# KiCad board kim-1.kicad_pcb (continued)
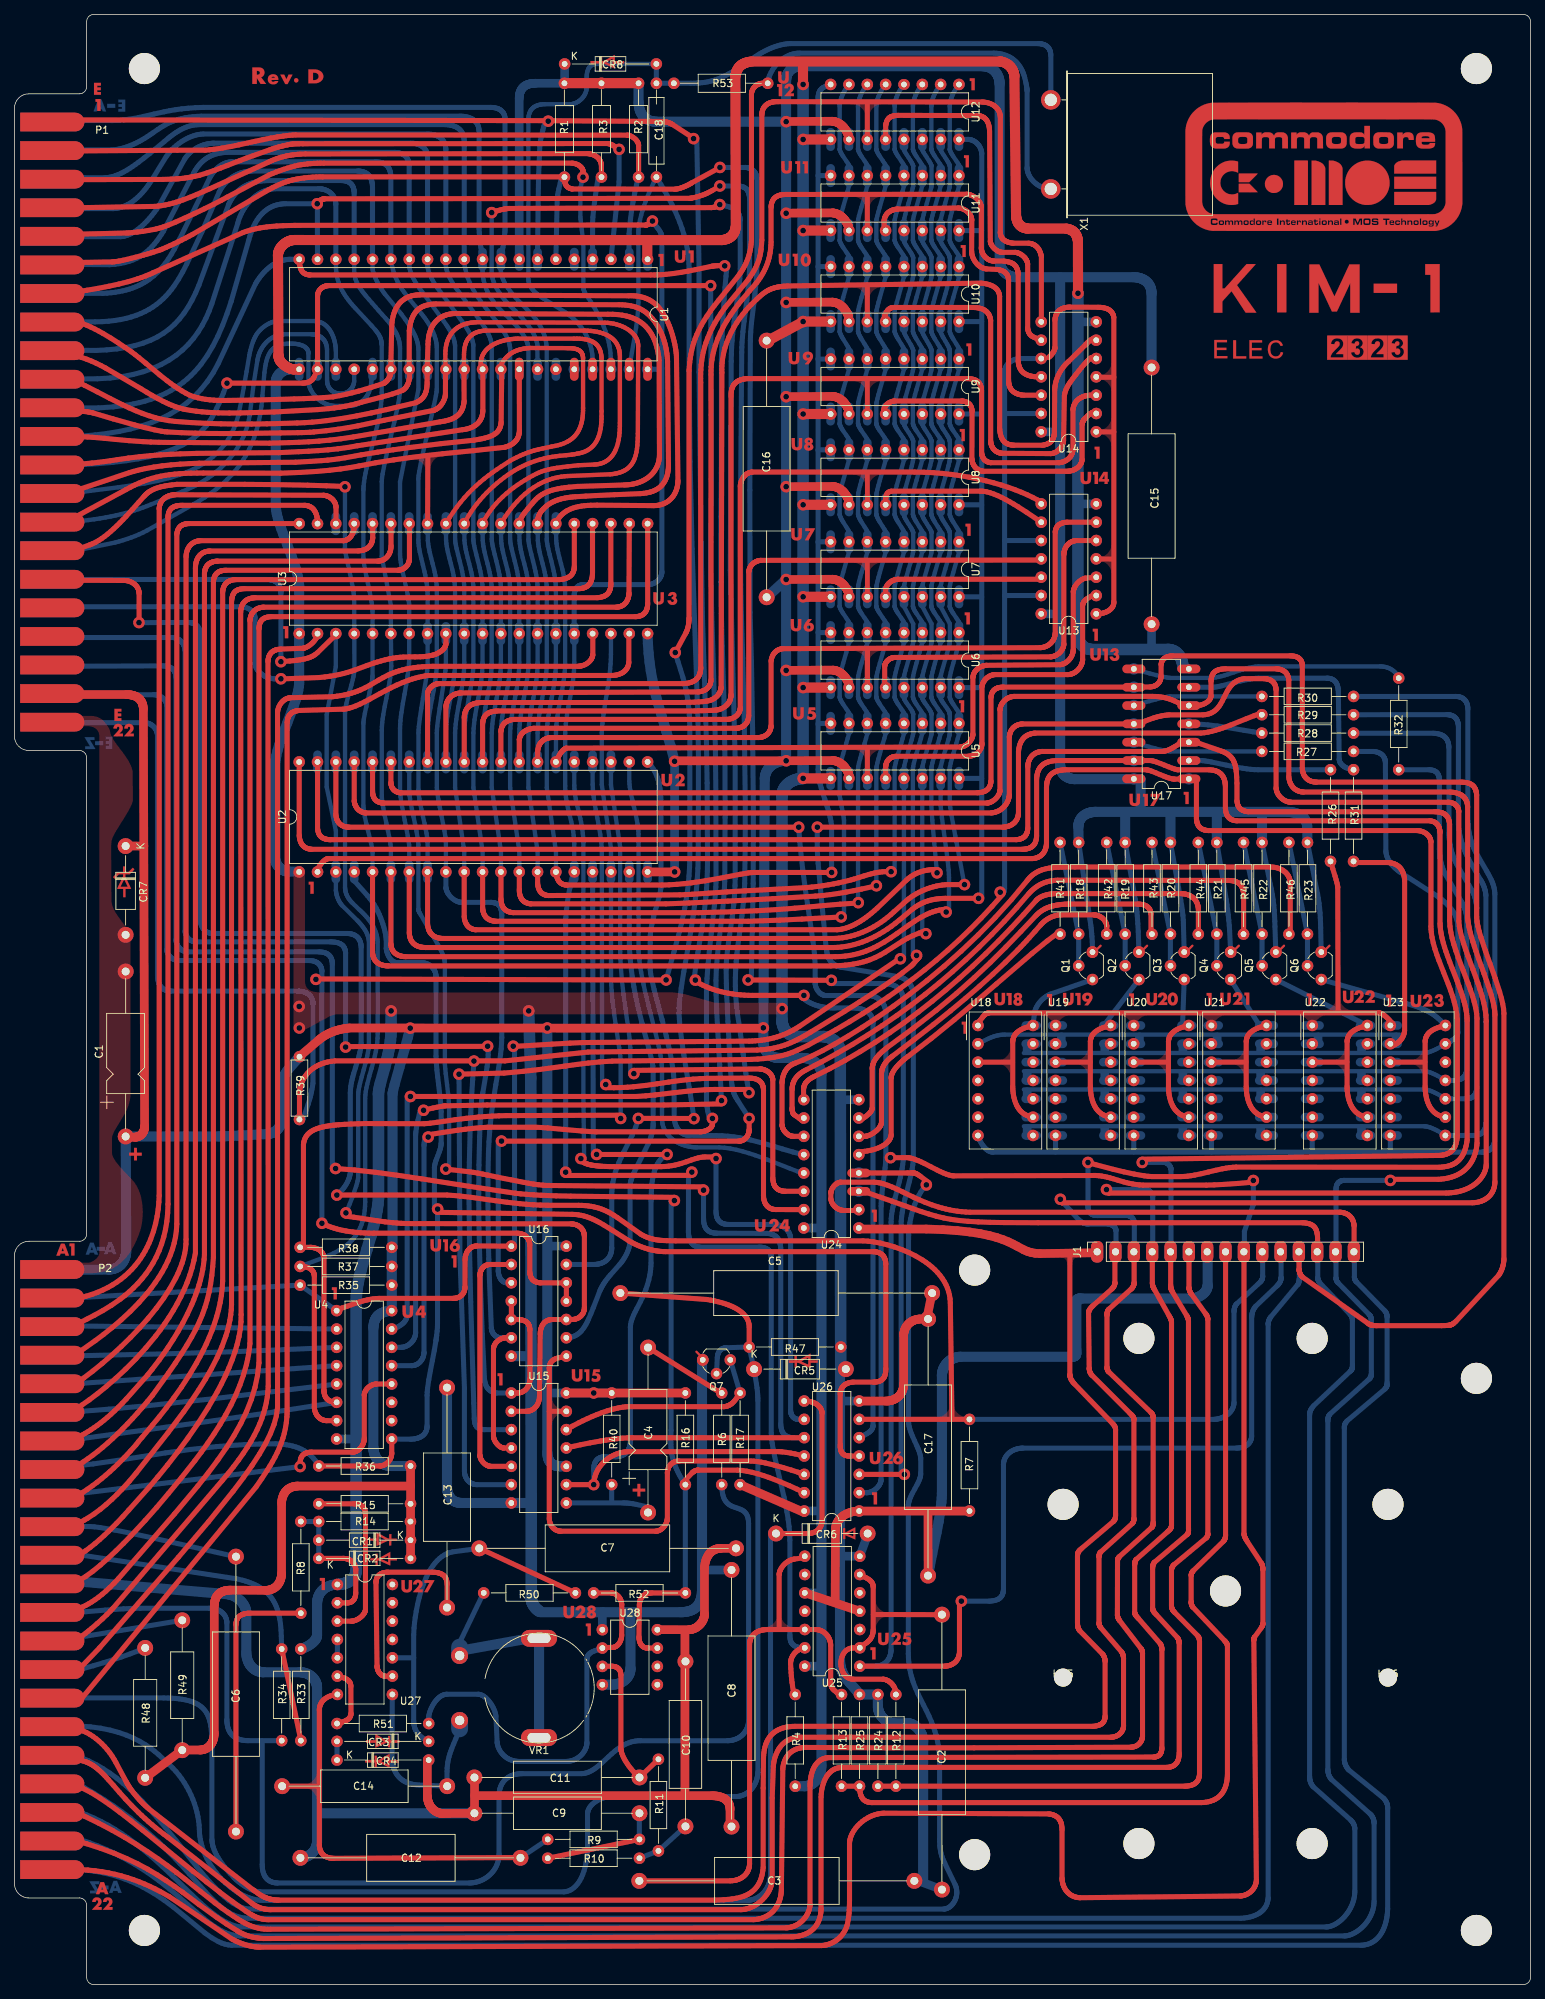
[diagram p0: board, top side]
## Routing (per net, layer and track width the routed paths; a pad name or vN(x,y) marks a point on that pad's centre or on a via; arc(x,y) is an arc through that point) (continued)
Net-(U6-DO): length 47.4
  Top w0.7: 149.84,200.09 147.05,200.09 146.95,200.09 146.86,200.07 146.77,200.05 146.69,200.03 146.6,200.01 146.52,199.97 146.44,199.94 146.36,199.9 146.29,199.86 146.22,199.81 146.15,199.77 146.08,199.71 146.01,199.66 145.95,199.6 145.89,199.54 145.83,199.47 145.78,199.41 145.73,199.34 145.68,199.26 145.63,199.19 145.59,199.11 145.55,199.03 145.52,198.95 145.48,198.87 145.46,198.78 145.43,198.69 145.41,198.61 145.39,198.52 145.38,198.43 145.37,198.33 145.36,198.24 145.36,198.15 145.36,185.8 145.35,185.71 145.34,185.62 145.33,185.54 145.31,185.45 145.28,185.36 145.25,185.28 145.22,185.19 145.18,185.11 145.14,185.03 145.09,184.96 145.04,184.88 144.99,184.81 144.93,184.74 144.87,184.67 144.81,184.6 144.75,184.54 144.68,184.48 144.61,184.42 144.46,184.31 144.31,184.22 144.23,184.18 144.15,184.14 144.07,184.11 143.99,184.08 143.9,184.05 143.82,184.03 143.74,184.01 143.65,184 143.57,183.99 143.49,183.98 121.92,183.89 121.85,183.89 121.79,183.88 121.72,183.87 121.66,183.86 121.6,183.84 121.54,183.83 121.47,183.8 121.41,183.78 121.35,183.75 121.29,183.72 121.24,183.69 121.18,183.66 121.13,183.62 121.07,183.58 121.02,183.54 120.97,183.5 120.92,183.46 120.88,183.41 120.84,183.36 120.79,183.31 120.76,183.26 120.72,183.21 120.69,183.16 120.66,183.11 120.63,183.05 120.61,182.99 120.59,182.94 120.57,182.88 120.56,182.82 120.55,182.76 120.54,182.71 120.54,182.65 120.54,179.64
Net-(U7-DO): length 23.3
  Top w0.7: 120.67,192.34 120.67,193.28 120.67,193.34 120.68,193.4 120.69,193.46 120.71,193.52 120.73,193.59 120.75,193.65 120.78,193.71 120.81,193.77 120.85,193.83 120.88,193.89 120.92,193.95 120.97,194.01 121.02,194.07 121.07,194.13 121.12,194.18 121.18,194.24 121.24,194.29 121.3,194.34 121.36,194.39 121.43,194.43 121.5,194.48 121.58,194.52 121.65,194.55 121.73,194.59 121.81,194.62 121.9,194.65 121.99,194.67 122.07,194.69 122.17,194.71 122.26,194.72 122.36,194.73 122.46,194.73 142.29,194.73
Net-(U8-DO): length 24.1
  Top w0.7: 120.64,205.13 120.65,205.13 120.67,205.15 120.67,205.17 120.68,205.2 120.68,205.28 120.68,205.39 120.67,205.67 120.67,205.83 120.69,205.99 120.7,206.08 120.71,206.16 120.73,206.24 120.75,206.32 120.78,206.4 120.81,206.47 120.84,206.54 120.89,206.61 120.94,206.68 120.99,206.73 121.06,206.79 121.13,206.83 121.21,206.87 121.3,206.9 121.4,206.92 121.51,206.94 133.77,206.94 133.98,206.94 134.2,206.92 134.42,206.89 134.66,206.85 135.14,206.72 135.65,206.54 136.18,206.33 136.73,206.07 137.29,205.78 137.86,205.47 138.43,205.13 139,204.78 140.14,204.05 142.25,202.63
Net-(U9-DO): length 45.6
  Top w0.7: 149.82,217.8 149.47,217.81 149.45,217.82 149.43,217.83 149.41,217.83 149.39,217.84 149.36,217.84 149.34,217.83 149.31,217.83 149.28,217.82 149.22,217.8 149.16,217.77 149.1,217.73 149.03,217.69 148.95,217.63 148.88,217.57 148.8,217.5 148.72,217.43 148.63,217.35 148.55,217.27 148.37,217.08 148.28,217 148.25,216.96 148.21,216.92 148.18,216.88 148.15,216.84 148.12,216.81 148.1,216.77 148.07,216.74 148.05,216.71 148.03,216.68 148.02,216.65 148,216.62 147.99,216.59 147.97,216.56 147.96,216.54 147.95,216.51 147.94,216.49 147.93,216.44 147.91,216.39 147.91,216.34 147.9,216.3 147.89,216.25 147.89,216.16 147.89,211.38 147.88,211.29 147.87,211.21 147.85,211.12 147.83,211.04 147.81,210.96 147.77,210.88 147.74,210.8 147.7,210.72 147.65,210.64 147.6,210.57 147.55,210.5 147.49,210.43 147.43,210.36 147.37,210.3 147.3,210.23 147.22,210.17 147.14,210.12 147.06,210.06 146.98,210.01 146.89,209.96 146.8,209.92 146.7,209.88 146.61,209.84 146.51,209.81 146.4,209.78 146.29,209.75 146.18,209.73 146.07,209.72 145.96,209.7 145.84,209.7 145.72,209.69 145.6,209.69 134.24,209.69 134.16,209.7 134.08,209.71 133.99,209.73 133.91,209.75 133.83,209.77 133.76,209.79 133.68,209.82 133.61,209.86 133.54,209.89 133.47,209.93 133.4,209.97 133.33,210.02 133.27,210.07 133.21,210.12 133.15,210.17 133.1,210.23 133.05,210.29 133,210.35 132.95,210.42 132.9,210.48 132.86,210.55 132.82,210.62 132.79,210.7 132.76,210.78 132.73,210.85 132.7,210.93 132.68,211.02 132.66,211.1 132.64,211.19 132.63,211.28 132.62,211.36 132.62,211.46 132.64,217.96 132.64,218.04 132.63,218.12 132.63,218.19 132.61,218.27 132.6,218.34 132.58,218.41 132.56,218.48 132.54,218.55 132.51,218.62 132.48,218.68 132.45,218.74 132.42,218.8 132.38,218.86 132.34,218.91 132.29,218.97 132.25,219.02 132.2,219.06 132.15,219.11 132.09,219.15 132.03,219.19 131.97,219.23 131.91,219.26 131.85,219.29 131.78,219.32 131.71,219.35 131.63,219.37 131.56,219.39 131.48,219.4 131.4,219.41 131.31,219.42 131.22,219.43 131.13,219.43 121.91,219.43 121.81,219.42 121.7,219.41 121.59,219.38 121.46,219.34 121.34,219.29 121.22,219.23 121.09,219.16 121.03,219.12 120.98,219.08 120.92,219.03 120.86,218.99 120.81,218.94 120.76,218.88 120.71,218.82 120.66,218.76 120.62,218.7 120.58,218.63 120.54,218.56 120.51,218.49 120.48,218.42 120.46,218.34 120.44,218.25 120.42,218.17 120.41,218.08 120.41,217.99 120.41,217.53
Net-(U10-DO): length 59.2
  Top w0.7: 149.83,225.35 149.8,225.35 149.78,225.35 149.76,225.35 149.73,225.36 149.71,225.36 149.69,225.36 149.66,225.37 149.62,225.37 149.58,225.38 149.54,225.39 149.51,225.4 149.48,225.42 149.45,225.43 149.42,225.44 149.4,225.45 149.37,225.46 149.36,225.46 149.32,225.47 149.28,225.47 149.23,225.46 149.17,225.43 149.11,225.4 149.04,225.35 148.89,225.24 148.73,225.09 148.55,224.92 148.37,224.73 148.18,224.52 147.81,224.09 147.47,223.67 146.99,223.06 146.77,222.77 146.54,222.47 146.31,222.15 146.19,221.99 146.08,221.82 145.97,221.64 145.87,221.46 145.77,221.27 145.68,221.07 145.6,220.87 145.53,220.65 145.47,220.43 145.43,220.2 145.32,214 145.31,213.92 145.31,213.84 145.29,213.76 145.27,213.68 145.25,213.6 145.23,213.53 145.2,213.45 145.16,213.37 145.08,213.21 144.99,213.06 144.89,212.91 144.83,212.84 144.77,212.77 144.71,212.71 144.64,212.64 144.57,212.58 144.5,212.52 144.43,212.47 144.36,212.42 144.28,212.37 144.2,212.33 144.12,212.29 144.04,212.25 143.95,212.22 143.87,212.19 143.78,212.17 143.69,212.16 143.6,212.15 143.51,212.14 136.8,212.19 136.73,212.2 136.66,212.2 136.58,212.21 136.51,212.23 136.44,212.25 136.37,212.27 136.3,212.29 136.23,212.32 136.16,212.35 136.09,212.39 136.03,212.43 135.96,212.47 135.9,212.52 135.84,212.56 135.78,212.61 135.73,212.67 135.67,212.73 135.62,212.78 135.57,212.85 135.52,212.91 135.48,212.98 135.44,213.05 135.4,213.12 135.37,213.2 135.34,213.28 135.31,213.36 135.28,213.44 135.26,213.52 135.25,213.61 135.23,213.7 135.22,213.79 135.22,213.88 135.22,230.57 135.2,230.7 135.18,230.82 135.16,230.93 135.13,231.04 135.09,231.14 135.05,231.24 135.01,231.34 134.96,231.43 134.91,231.51 134.85,231.59 134.79,231.67 134.73,231.74 134.66,231.81 134.59,231.87 134.51,231.93 134.43,231.98 134.35,232.03 134.26,232.08 134.09,232.16 133.9,232.23 133.7,232.29 133.5,232.33 133.29,232.36 133.07,232.38 132.85,232.39 121.77,232.39 121.69,232.39 121.62,232.38 121.55,232.37 121.48,232.35 121.41,232.32 121.34,232.29 121.27,232.26 121.21,232.22 121.15,232.18 121.09,232.14 121.04,232.09 120.98,232.03 120.93,231.98 120.88,231.92 120.79,231.79 120.71,231.64 120.64,231.49 120.57,231.33 120.52,231.16 120.48,230.99 120.46,230.8 120.44,230.62 120.43,230.43
Net-(U11-DO): length 46.5
  Top w0.7: 120.47,243.06 120.47,244.37 120.47,244.44 120.48,244.51 120.49,244.59 120.5,244.66 120.52,244.73 120.54,244.8 120.56,244.88 120.59,244.95 120.62,245.02 120.66,245.09 120.7,245.15 120.74,245.22 120.79,245.29 120.84,245.35 120.89,245.41 120.95,245.47 121.01,245.53 121.08,245.58 121.15,245.64 121.22,245.69 121.3,245.74 121.38,245.78 121.47,245.82 121.56,245.86 121.65,245.9 121.74,245.93 121.85,245.95 121.95,245.98 122.06,246 122.17,246.01 122.29,246.03 122.41,246.03 130.69,246.18 130.83,246.17 130.98,246.15 131.14,246.12 131.29,246.07 131.45,246.01 131.6,245.93 131.76,245.85 131.9,245.75 131.97,245.69 132.04,245.63 132.11,245.57 132.17,245.51 132.23,245.44 132.28,245.37 132.34,245.29 132.39,245.22 132.43,245.14 132.47,245.05 132.51,244.97 132.54,244.88 132.56,244.78 132.58,244.69 132.6,244.59 132.61,244.49 132.58,240.2 132.58,240.11 132.59,240.02 132.61,239.83 132.65,239.64 132.71,239.44 132.79,239.25 132.88,239.05 132.99,238.86 133.12,238.67 133.26,238.5 133.34,238.41 133.42,238.33 133.5,238.26 133.59,238.18 133.68,238.11 133.78,238.05 133.87,237.99 133.98,237.93 134.08,237.89 134.19,237.84 134.3,237.8 134.41,237.77 134.53,237.75 134.65,237.73 136.19,237.66 136.35,237.63 136.5,237.59 136.65,237.55 136.79,237.5 136.92,237.44 137.05,237.37 137.1,237.34 137.16,237.3 137.22,237.26 137.27,237.21 137.32,237.17 137.36,237.12 137.41,237.06 137.45,237.01 137.49,236.95 137.52,236.89 137.56,236.82 137.59,236.75 137.61,236.68 137.64,236.6 137.66,236.52 137.67,236.44 137.68,236.35 137.69,236.26 137.7,236.17 137.7,236.07 137.7,222.3 137.7,222.19 137.71,222.07 137.72,221.96 137.74,221.85 137.76,221.75 137.78,221.65 137.81,221.55 137.84,221.46 137.88,221.37 137.92,221.28 137.96,221.2 138.01,221.12 138.06,221.04 138.12,220.97 138.18,220.9 138.24,220.83 138.31,220.77 138.39,220.71 138.46,220.65 138.54,220.6 138.63,220.55 138.72,220.51 138.81,220.46 138.91,220.42 139.01,220.39 139.11,220.36 139.22,220.33 139.33,220.3 139.45,220.28 139.57,220.26 139.82,220.24 142.22,220.24
Net-(U12-DO): length 52.1
  Top w0.7: 120.68,255.68 120.68,257.6 120.7,257.71 120.72,257.82 120.74,257.92 120.77,258.01 120.8,258.1 120.83,258.19 120.86,258.26 120.9,258.34 120.94,258.4 120.98,258.47 121.02,258.52 121.07,258.58 121.11,258.63 121.17,258.67 121.22,258.71 121.27,258.75 121.33,258.79 121.39,258.82 121.45,258.85 121.51,258.87 121.65,258.91 121.79,258.95 121.93,258.97 122.09,258.99 122.25,259 122.42,259.01 133.37,258.98 133.48,258.98 133.58,258.97 133.68,258.95 133.78,258.93 133.87,258.9 133.96,258.87 134.05,258.84 134.13,258.8 134.21,258.76 134.28,258.71 134.36,258.66 134.42,258.6 134.49,258.54 134.55,258.47 134.61,258.41 134.66,258.33 134.71,258.26 134.76,258.18 134.8,258.09 134.84,258 134.91,257.82 134.97,257.62 135.01,257.41 135.04,257.18 135.06,256.94 135.07,256.7 135.17,241.58 135.17,241.52 135.18,241.45 135.2,241.39 135.22,241.32 135.24,241.26 135.27,241.19 135.3,241.13 135.34,241.06 135.42,240.93 135.51,240.8 135.62,240.67 135.74,240.55 135.87,240.44 136,240.34 136.14,240.25 136.21,240.21 136.28,240.17 136.36,240.14 136.43,240.11 136.5,240.09 136.58,240.07 136.65,240.05 136.72,240.04 136.8,240.03 136.87,240.03 138.59,240.03 138.66,240.02 138.74,240.01 138.81,240 138.88,239.98 138.96,239.96 139.03,239.93 139.11,239.9 139.18,239.87 139.33,239.79 139.47,239.71 139.61,239.61 139.74,239.5 139.87,239.38 139.92,239.31 139.98,239.25 140.03,239.18 140.08,239.12 140.12,239.05 140.17,238.98 140.2,238.9 140.24,238.83 140.27,238.76 140.29,238.68 140.31,238.61 140.33,238.53 140.34,238.46 140.34,238.38 140.34,229.57 140.35,229.45 140.37,229.34 140.39,229.24 140.42,229.14 140.45,229.05 140.48,228.97 140.52,228.89 140.56,228.81 140.61,228.74 140.66,228.68 140.71,228.62 140.76,228.56 140.82,228.51 140.88,228.46 140.95,228.41 141.01,228.37 141.15,228.29 141.3,228.22 141.45,228.16 141.6,228.1 141.92,227.98 142.08,227.92 142.23,227.85
Net-(U13-Pad1): length 304.5
  Top w0.7: 143.22,225.46 143.3,225.52 143.37,225.58 143.45,225.65 143.52,225.72 143.6,225.8 143.67,225.88 143.73,225.96 143.8,226.05 143.85,226.13 143.91,226.22 143.96,226.31 144,226.39 144.04,226.48 144.07,226.56 144.09,226.65 144.11,226.73 144.12,226.8 144.12,226.88 144.12,230.58 144.14,230.79 144.15,230.89 144.17,230.99 144.19,231.09 144.21,231.18 144.24,231.27 144.27,231.36 144.31,231.44 144.35,231.52 144.39,231.6 144.44,231.67 144.49,231.74 144.54,231.81 144.6,231.88 144.66,231.94 144.73,232 144.8,232.05 144.87,232.1 144.95,232.15 145.03,232.19 145.12,232.23 145.21,232.27 145.31,232.31 145.41,232.34 145.51,232.36 145.62,232.39 145.73,232.41 145.85,232.42 145.97,232.43 146.1,232.44 146.23,232.44 150.11,232.42 150.38,232.41 150.54,232.4 150.7,232.38 150.87,232.35 151.04,232.31 151.2,232.26 151.37,232.2 151.45,232.16 151.53,232.12 151.61,232.07 151.68,232.02 151.76,231.97 151.83,231.91 151.89,231.84 151.95,231.77 152.01,231.7 152.07,231.62 152.12,231.53 152.16,231.44 152.2,231.34 152.23,231.24 152.26,231.13 152.28,231.01 152.28,191.66 152.28,191.55 152.27,191.44 152.26,191.34 152.24,191.24 152.21,191.15 152.18,191.05 152.13,190.97 152.08,190.88 152.03,190.8 151.97,190.73 151.91,190.65 151.83,190.58 151.76,190.52 151.68,190.46 151.6,190.4 151.51,190.34 151.42,190.29 151.33,190.24 151.23,190.2 151.13,190.16 151.03,190.12 150.93,190.09 150.82,190.06 150.71,190.03 150.5,189.99 150.29,189.96 150.07,189.94 149.86,189.93 ; 136.89,151.08 135.4,149.4 133.9,147.79 132.38,146.24 130.84,144.75 129.27,143.32 127.68,141.94 126.06,140.61 124.41,139.32 122.73,138.07 121.02,136.86 119.27,135.68 117.48,134.54 115.66,133.41 113.79,132.31 109.91,130.16 108.47,129.48 107.71,129.16 107.29,129.01 106.83,128.86 106.34,128.73 105.79,128.6 105.18,128.49 104.51,128.39 103.77,128.31 102.95,128.25 102.03,128.2 101.03,128.17 82.79,127.96 81.06,127.85 79.48,127.7 77.93,127.5 76.35,127.28 72.69,126.8 70.45,126.55 67.82,126.3 61.19,126.15 ; 149.89,215.16 152.28,215.15 ; 149.89,222.73 152.28,222.71 ; 149.89,197.55 152.18,197.53
  Bottom w0.7: 142.21,217.7 137.16,217.7 ; 142.2,225.32 139.41,225.32 139.19,225.31 138.98,225.29 138.78,225.25 138.58,225.19 138.39,225.12 138.2,225.03 138.03,224.93 137.94,224.87 137.86,224.82 137.79,224.75 137.71,224.69 137.64,224.62 137.58,224.55 137.52,224.47 137.46,224.39 137.4,224.31 137.35,224.23 137.31,224.14 137.27,224.05 137.24,223.96 137.21,223.86 137.18,223.76 137.16,223.66 137.15,223.56 137.14,223.45 137.14,151.88 137.14,151.76 137.13,151.73 137.13,151.7 137.12,151.67 137.12,151.64 137.11,151.61 137.1,151.58 137.09,151.55 137.08,151.52 137.06,151.49 137.04,151.46 137.02,151.43 137,151.4 ; 68.81,69.27 64.1,69.27 63.99,69.28 63.89,69.29 63.79,69.3 63.7,69.32 63.61,69.34 63.52,69.37 63.43,69.4 63.35,69.44 63.27,69.48 63.19,69.52 63.12,69.57 63.05,69.62 62.98,69.68 62.92,69.73 62.85,69.79 62.8,69.86 62.74,69.92 62.69,69.99 62.64,70.06 62.6,70.14 62.56,70.21 62.52,70.29 62.48,70.37 62.45,70.45 62.43,70.53 62.4,70.61 62.36,70.78 62.34,70.96 62.33,71.13 62.33,82.63 61.71,101.01 61.58,126.15 ; 142.21,200.1 137.16,200.1 ; 142.22,192.48 137.16,192.48
  vias: v1(61.58,126.15) v1(136.54,151.37)
Net-(U15-Pad5): length 35.4
  Top w0.7: 68.83,99.78 65.87,99.78 65.79,99.78 65.71,99.77 65.64,99.76 65.57,99.75 65.5,99.73 65.43,99.71 65.36,99.68 65.3,99.65 65.23,99.62 65.17,99.59 65.11,99.55 65.06,99.51 65,99.46 64.95,99.42 64.9,99.37 64.86,99.32 64.81,99.26 64.77,99.21 64.73,99.15 64.69,99.09 64.66,99.02 64.63,98.96 64.6,98.89 64.57,98.82 64.55,98.75 64.53,98.68 64.51,98.6 64.5,98.53 64.49,98.45 64.48,98.37 64.47,98.29 64.47,98.21 64.47,73.39 64.47,73.32 64.48,73.25 64.49,73.18 64.51,73.11 64.52,73.04 64.55,72.97 64.57,72.9 64.6,72.83 64.64,72.76 64.67,72.7 64.75,72.57 64.85,72.44 64.95,72.33 65.06,72.22 65.18,72.12 65.24,72.07 65.3,72.03 65.37,71.99 65.43,71.96 65.5,71.93 65.56,71.9 65.63,71.87 65.7,71.85 65.77,71.83 65.83,71.82 65.9,71.81 65.97,71.81 68.83,71.81
Net-(U15-Pad13): length 71.3
  Top w0.127: 74.09,79.43 74.08,79.44
  Top w0.7: 109.41,70.7 108.54,70.99 107.6,71.29 106.47,71.64 105.24,71.98 104.02,72.27 103.44,72.39 102.91,72.48 102.43,72.53 102.01,72.55 92.1,72.55 92.01,72.54 91.91,72.53 91.83,72.52 91.74,72.51 91.65,72.49 91.57,72.47 91.49,72.45 91.42,72.42 91.34,72.39 91.27,72.36 91.2,72.32 91.14,72.28 91.07,72.23 91.01,72.19 90.96,72.14 90.9,72.09 90.85,72.03 90.8,71.97 90.75,71.91 90.71,71.85 90.67,71.78 90.63,71.71 90.6,71.64 90.57,71.57 90.54,71.49 90.52,71.41 90.49,71.33 90.48,71.24 90.46,71.15 90.45,71.07 90.44,70.97 90.44,70.88 90.44,64.59 90.43,64.52 90.43,64.45 90.42,64.38 90.4,64.31 90.38,64.24 90.36,64.16 90.31,64.01 90.24,63.87 90.16,63.72 90.06,63.58 90.01,63.51 89.96,63.44 89.9,63.38 89.84,63.31 89.78,63.25 89.72,63.19 89.65,63.14 89.58,63.09 89.51,63.04 89.44,63 89.37,62.96 89.29,62.92 89.21,62.89 89.13,62.87 89.05,62.85 88.97,62.83 88.89,62.82 88.8,62.82 75.74,62.82 75.64,62.82 75.54,62.83 75.44,62.85 75.35,62.86 75.26,62.89 75.17,62.92 75.08,62.95 75,62.99 74.93,63.03 74.85,63.08 74.78,63.12 74.72,63.18 74.65,63.23 74.59,63.29 74.54,63.35 74.48,63.42 74.44,63.48 74.39,63.55 74.35,63.62 74.31,63.69 74.24,63.84 74.18,63.99 74.14,64.15 74.1,64.3 74.09,64.46 74.08,64.61 74.08,85.39 74.09,85.53 74.1,85.65 74.12,85.77 74.15,85.88 74.18,85.98 74.22,86.07 74.26,86.16 74.31,86.24 74.37,86.31 74.43,86.38 74.5,86.45 74.57,86.5 74.64,86.56 74.72,86.61 74.81,86.65 74.89,86.69 75.07,86.76 75.26,86.82 75.45,86.87 75.65,86.91 76.06,86.99 76.25,87.03 76.45,87.08 ; U15.13 74.09,79.43
Net-(U24-~{Q4}): length 44.5
  Top w0.7: 116.97,115.4 117.36,115.42 117.75,115.46 118.13,115.51 118.52,115.59 118.9,115.68 119.26,115.79 119.61,115.92 119.95,116.06 120.25,116.22 120.54,116.4 120.79,116.59 120.9,116.69 121,116.8 121.09,116.91 121.18,117.02 121.25,117.14 121.31,117.26 121.36,117.39 121.4,117.51 121.42,117.65 121.43,117.78 121.43,125.6 121.43,125.7 121.45,125.8 121.47,125.9 121.49,126 121.52,126.1 121.56,126.2 121.61,126.31 121.66,126.41 121.78,126.61 121.91,126.82 122.07,127.02 122.23,127.22 122.41,127.42 122.6,127.61 122.79,127.8 122.99,127.97 123.18,128.15 123.38,128.31 123.75,128.6 127.04,131.14 130.2,133.71 133.19,136.23 136,138.64 140.95,142.89 143.04,144.61 144.84,145.96
Net-(U24-~{Q5}): length 52.7
  Top w0.7: 116.98,117.54 117.77,117.54 117.85,117.54 117.93,117.55 118.02,117.57 118.1,117.59 118.29,117.65 118.48,117.73 118.67,117.82 118.86,117.93 119.05,118.05 119.24,118.19 119.41,118.34 119.58,118.49 119.72,118.65 119.79,118.74 119.85,118.82 119.9,118.91 119.95,118.99 120,119.08 120.03,119.16 120.06,119.25 120.08,119.34 120.09,119.42 120.1,119.51 120.1,126.21 120.1,126.31 120.11,126.41 120.12,126.51 120.13,126.61 120.15,126.7 120.18,126.8 120.2,126.89 120.23,126.98 120.31,127.16 120.39,127.33 120.48,127.49 120.59,127.65 120.7,127.79 120.82,127.94 120.94,128.07 121.07,128.2 121.21,128.32 121.34,128.44 121.48,128.55 121.61,128.65 124.62,130.94 127.27,133.02 129.64,134.92 131.77,136.69 133.72,138.38 135.54,140.02 137.28,141.68 138.99,143.38 139.39,143.8 139.79,144.21 140.18,144.64 140.57,145.06 141.35,145.93 142.12,146.81 142.25,146.96 142.4,147.11 142.55,147.25 142.71,147.38 142.88,147.5 143.06,147.62 143.24,147.73 143.42,147.83 143.61,147.92 143.81,148 144.01,148.07 144.21,148.13 144.41,148.17 144.62,148.2 144.82,148.22 145.03,148.23 149.46,148.23 149.55,148.23 149.65,148.22 149.74,148.21 149.83,148.19 149.92,148.17 150,148.15 150.09,148.12 150.17,148.09 150.25,148.05 150.33,148.02 150.41,147.97 150.48,147.93 150.55,147.88 150.62,147.83 150.69,147.77 150.75,147.72 150.87,147.6 150.98,147.47 151.03,147.4 151.07,147.34 151.11,147.27 151.15,147.2 151.18,147.13 151.21,147.05 151.24,146.98 151.26,146.91 151.28,146.84 151.29,146.76 151.3,146.69 151.3,146.62 151.3,145.57
Net-(U24-~{Q6}): length 59
  Top w0.7: 157.43,145.52 157.43,148.3 157.42,148.39 157.41,148.47 157.4,148.56 157.38,148.64 157.36,148.71 157.34,148.79 157.31,148.86 157.28,148.93 157.24,148.99 157.21,149.06 157.16,149.12 157.12,149.17 157.07,149.23 157.02,149.28 156.97,149.33 156.91,149.37 156.85,149.41 156.79,149.45 156.72,149.49 156.65,149.52 156.58,149.55 156.51,149.58 156.35,149.63 156.18,149.67 156,149.7 155.8,149.72 155.6,149.73 146.22,149.73 145.96,149.72 145.72,149.71 145.48,149.7 145.25,149.69 145.03,149.67 144.82,149.65 144.62,149.62 144.43,149.59 144.24,149.56 144.06,149.52 143.89,149.48 143.72,149.44 143.56,149.39 143.41,149.34 143.26,149.29 143.12,149.24 142.99,149.18 142.86,149.12 142.74,149.06 142.62,149 142.39,148.87 142.19,148.73 142,148.59 141.82,148.44 141.65,148.29 141.49,148.13 139.4,145.92 137.33,143.77 135.2,141.66 132.94,139.52 130.46,137.32 127.68,135.01 124.53,132.54 120.92,129.87 120.66,129.67 120.43,129.47 120.21,129.27 120,129.09 119.81,128.9 119.64,128.72 119.49,128.54 119.35,128.36 119.23,128.18 119.12,128 119.03,127.82 118.99,127.73 118.95,127.64 118.92,127.55 118.89,127.46 118.87,127.37 118.85,127.28 118.83,127.18 118.82,127.09 118.81,126.99 118.81,126.9 118.81,121.46 118.8,121.39 118.79,121.31 118.76,121.24 118.73,121.16 118.69,121.08 118.64,121.01 118.59,120.93 118.52,120.85 118.46,120.78 118.39,120.7 118.23,120.55 118.07,120.41 117.89,120.28 117.72,120.15 117.56,120.04 117.26,119.85
Net-(U24-~{Q7}): length 70.7
  Top w0.7: 109.31,122.62 109.3,124.04 109.31,124.13 109.31,124.21 109.32,124.28 109.34,124.36 109.36,124.43 109.38,124.5 109.4,124.57 109.43,124.64 109.46,124.71 109.49,124.77 109.53,124.83 109.57,124.89 109.61,124.95 109.65,125.01 109.75,125.12 109.85,125.22 109.96,125.32 110.08,125.42 110.21,125.5 110.34,125.59 110.47,125.67 110.61,125.75 110.76,125.82 112.93,126.91 115.06,128.07 117.15,129.28 119.21,130.56 121.24,131.9 123.23,133.3 125.2,134.75 127.12,136.27 129.02,137.83 130.89,139.45 132.73,141.12 134.54,142.85 136.32,144.62 138.07,146.44 139.8,148.3 141.51,150.21 141.56,150.27 141.62,150.33 141.75,150.44 141.88,150.54 142.02,150.63 142.17,150.71 142.33,150.79 142.5,150.86 142.68,150.92 142.86,150.98 143.05,151.03 143.24,151.07 143.44,151.1 143.64,151.13 143.85,151.15 144.07,151.16 144.28,151.17 161.56,151.17 161.7,151.17 161.82,151.16 161.95,151.15 162.07,151.13 162.19,151.11 162.31,151.08 162.42,151.05 162.53,151.01 162.64,150.97 162.74,150.93 162.84,150.88 162.94,150.83 163.03,150.77 163.12,150.71 163.21,150.64 163.29,150.58 163.37,150.5 163.44,150.43 163.51,150.35 163.58,150.26 163.64,150.17 163.69,150.08 163.75,149.99 163.79,149.89 163.84,149.78 163.87,149.68 163.91,149.57 163.93,149.46 163.96,149.34 163.97,149.22 163.98,149.1 163.99,148.97 163.99,145.57
Net-(U24-~{Q8}): length 85.1
  Top w0.7: 109.19,119.66 108.73,120.01 108.34,120.29 108.16,120.43 108.01,120.53 107.99,120.55 107.97,120.57 107.95,120.59 107.93,120.61 107.91,120.63 107.9,120.65 107.88,120.68 107.87,120.7 107.85,120.73 107.84,120.75 107.82,120.8 107.79,120.86 107.78,120.92 107.76,120.98 107.75,121.05 107.73,121.12 107.73,121.19 107.72,121.27 107.71,121.35 107.71,121.43 107.71,121.51 107.71,124.01 107.71,124.13 107.72,124.25 107.73,124.36 107.75,124.48 107.77,124.59 107.79,124.69 107.82,124.8 107.85,124.9 107.89,125 107.93,125.1 107.97,125.2 108.02,125.29 108.13,125.48 108.25,125.65 108.38,125.81 108.53,125.97 108.69,126.12 108.87,126.26 109.05,126.4 109.25,126.53 109.46,126.65 109.68,126.76 111.85,127.89 113.99,129.06 116.1,130.29 118.17,131.57 120.21,132.9 122.23,134.28 124.2,135.72 126.15,137.22 128.06,138.76 129.94,140.37 131.79,142.03 133.6,143.74 135.38,145.51 137.12,147.34 138.83,149.23 140.5,151.17 140.7,151.38 140.89,151.57 141.1,151.75 141.31,151.93 141.52,152.09 141.75,152.24 141.98,152.37 142.22,152.5 142.46,152.61 142.72,152.71 142.99,152.8 143.27,152.87 143.56,152.93 143.86,152.98 144.17,153.01 144.49,153.03 168.15,153 168.38,152.99 168.61,152.97 168.82,152.93 168.92,152.91 169.02,152.88 169.11,152.85 169.21,152.82 169.29,152.78 169.38,152.74 169.46,152.69 169.54,152.64 169.61,152.59 169.68,152.53 169.75,152.46 169.81,152.4 169.87,152.32 169.92,152.25 169.97,152.17 170.02,152.08 170.06,151.99 170.1,151.89 170.14,151.79 170.17,151.69 170.19,151.58 170.21,151.46 170.23,151.34 170.24,151.21 170.25,151.08 170.25,150.95 170.25,145.56
Net-(U24-~{Q9}): length 99.6
  Top w0.7: 176.72,145.68 176.72,152.66 176.71,152.78 176.7,152.9 176.68,153.01 176.65,153.13 176.62,153.23 176.58,153.34 176.54,153.45 176.49,153.55 176.43,153.65 176.37,153.74 176.31,153.83 176.24,153.92 176.16,154.01 176.08,154.09 176,154.17 175.91,154.24 175.81,154.31 175.72,154.38 175.61,154.44 175.51,154.5 175.28,154.6 175.05,154.69 174.8,154.76 174.54,154.81 174.26,154.85 173.98,154.86 146.88,154.86 145.11,154.84 144.66,154.83 144.21,154.81 143.76,154.77 143.32,154.71 142.89,154.62 142.47,154.51 142.26,154.44 142.06,154.36 141.86,154.27 141.67,154.17 141.47,154.07 141.29,153.95 141.1,153.81 140.92,153.67 140.75,153.51 140.58,153.34 140.42,153.16 140.27,152.96 138.09,150.34 135.82,147.83 133.5,145.46 131.14,143.21 128.76,141.1 126.39,139.12 124.05,137.28 121.77,135.59 119.56,134.04 117.45,132.65 115.46,131.41 113.62,130.34 111.94,129.42 110.46,128.67 109.19,128.09 108.15,127.69 108.01,127.63 107.87,127.57 107.74,127.51 107.62,127.44 107.51,127.36 107.4,127.29 107.3,127.2 107.2,127.12 107.11,127.03 107.03,126.94 106.95,126.85 106.88,126.75 106.82,126.65 106.76,126.56 106.7,126.46 106.65,126.36 106.56,126.16 106.49,125.96 106.43,125.76 106.39,125.57 106.36,125.39 106.34,125.21 106.33,125.06 106.32,124.91 106.32,119.15 106.32,119.08 106.33,119.01 106.34,118.94 106.36,118.87 106.38,118.8 106.41,118.72 106.43,118.65 106.46,118.58 106.5,118.51 106.54,118.44 106.58,118.38 106.62,118.31 106.67,118.25 106.72,118.18 106.77,118.12 106.82,118.06 106.88,118 106.94,117.95 107,117.9 107.06,117.85 107.13,117.8 107.19,117.76 107.26,117.72 107.33,117.68 107.4,117.65 107.47,117.62 107.54,117.6 107.61,117.58 107.69,117.56 107.76,117.55 107.83,117.54 107.91,117.54 109.35,117.54
